# Altium PCB RTM_SFP.PcbDoc (part 4 of 7)
Units mm, origin at the board's own origin, x right, y up, seen from the top; angles counter-clockwise.
Board outline 182.5 x 148.5 mm, 4 copper layers (Top Layer, MidPlane_1, MidPlane_2, Bottom Layer), stack 0.883 mm thick; 377 components, 317 nets, 1528 pads, 1541 vias.
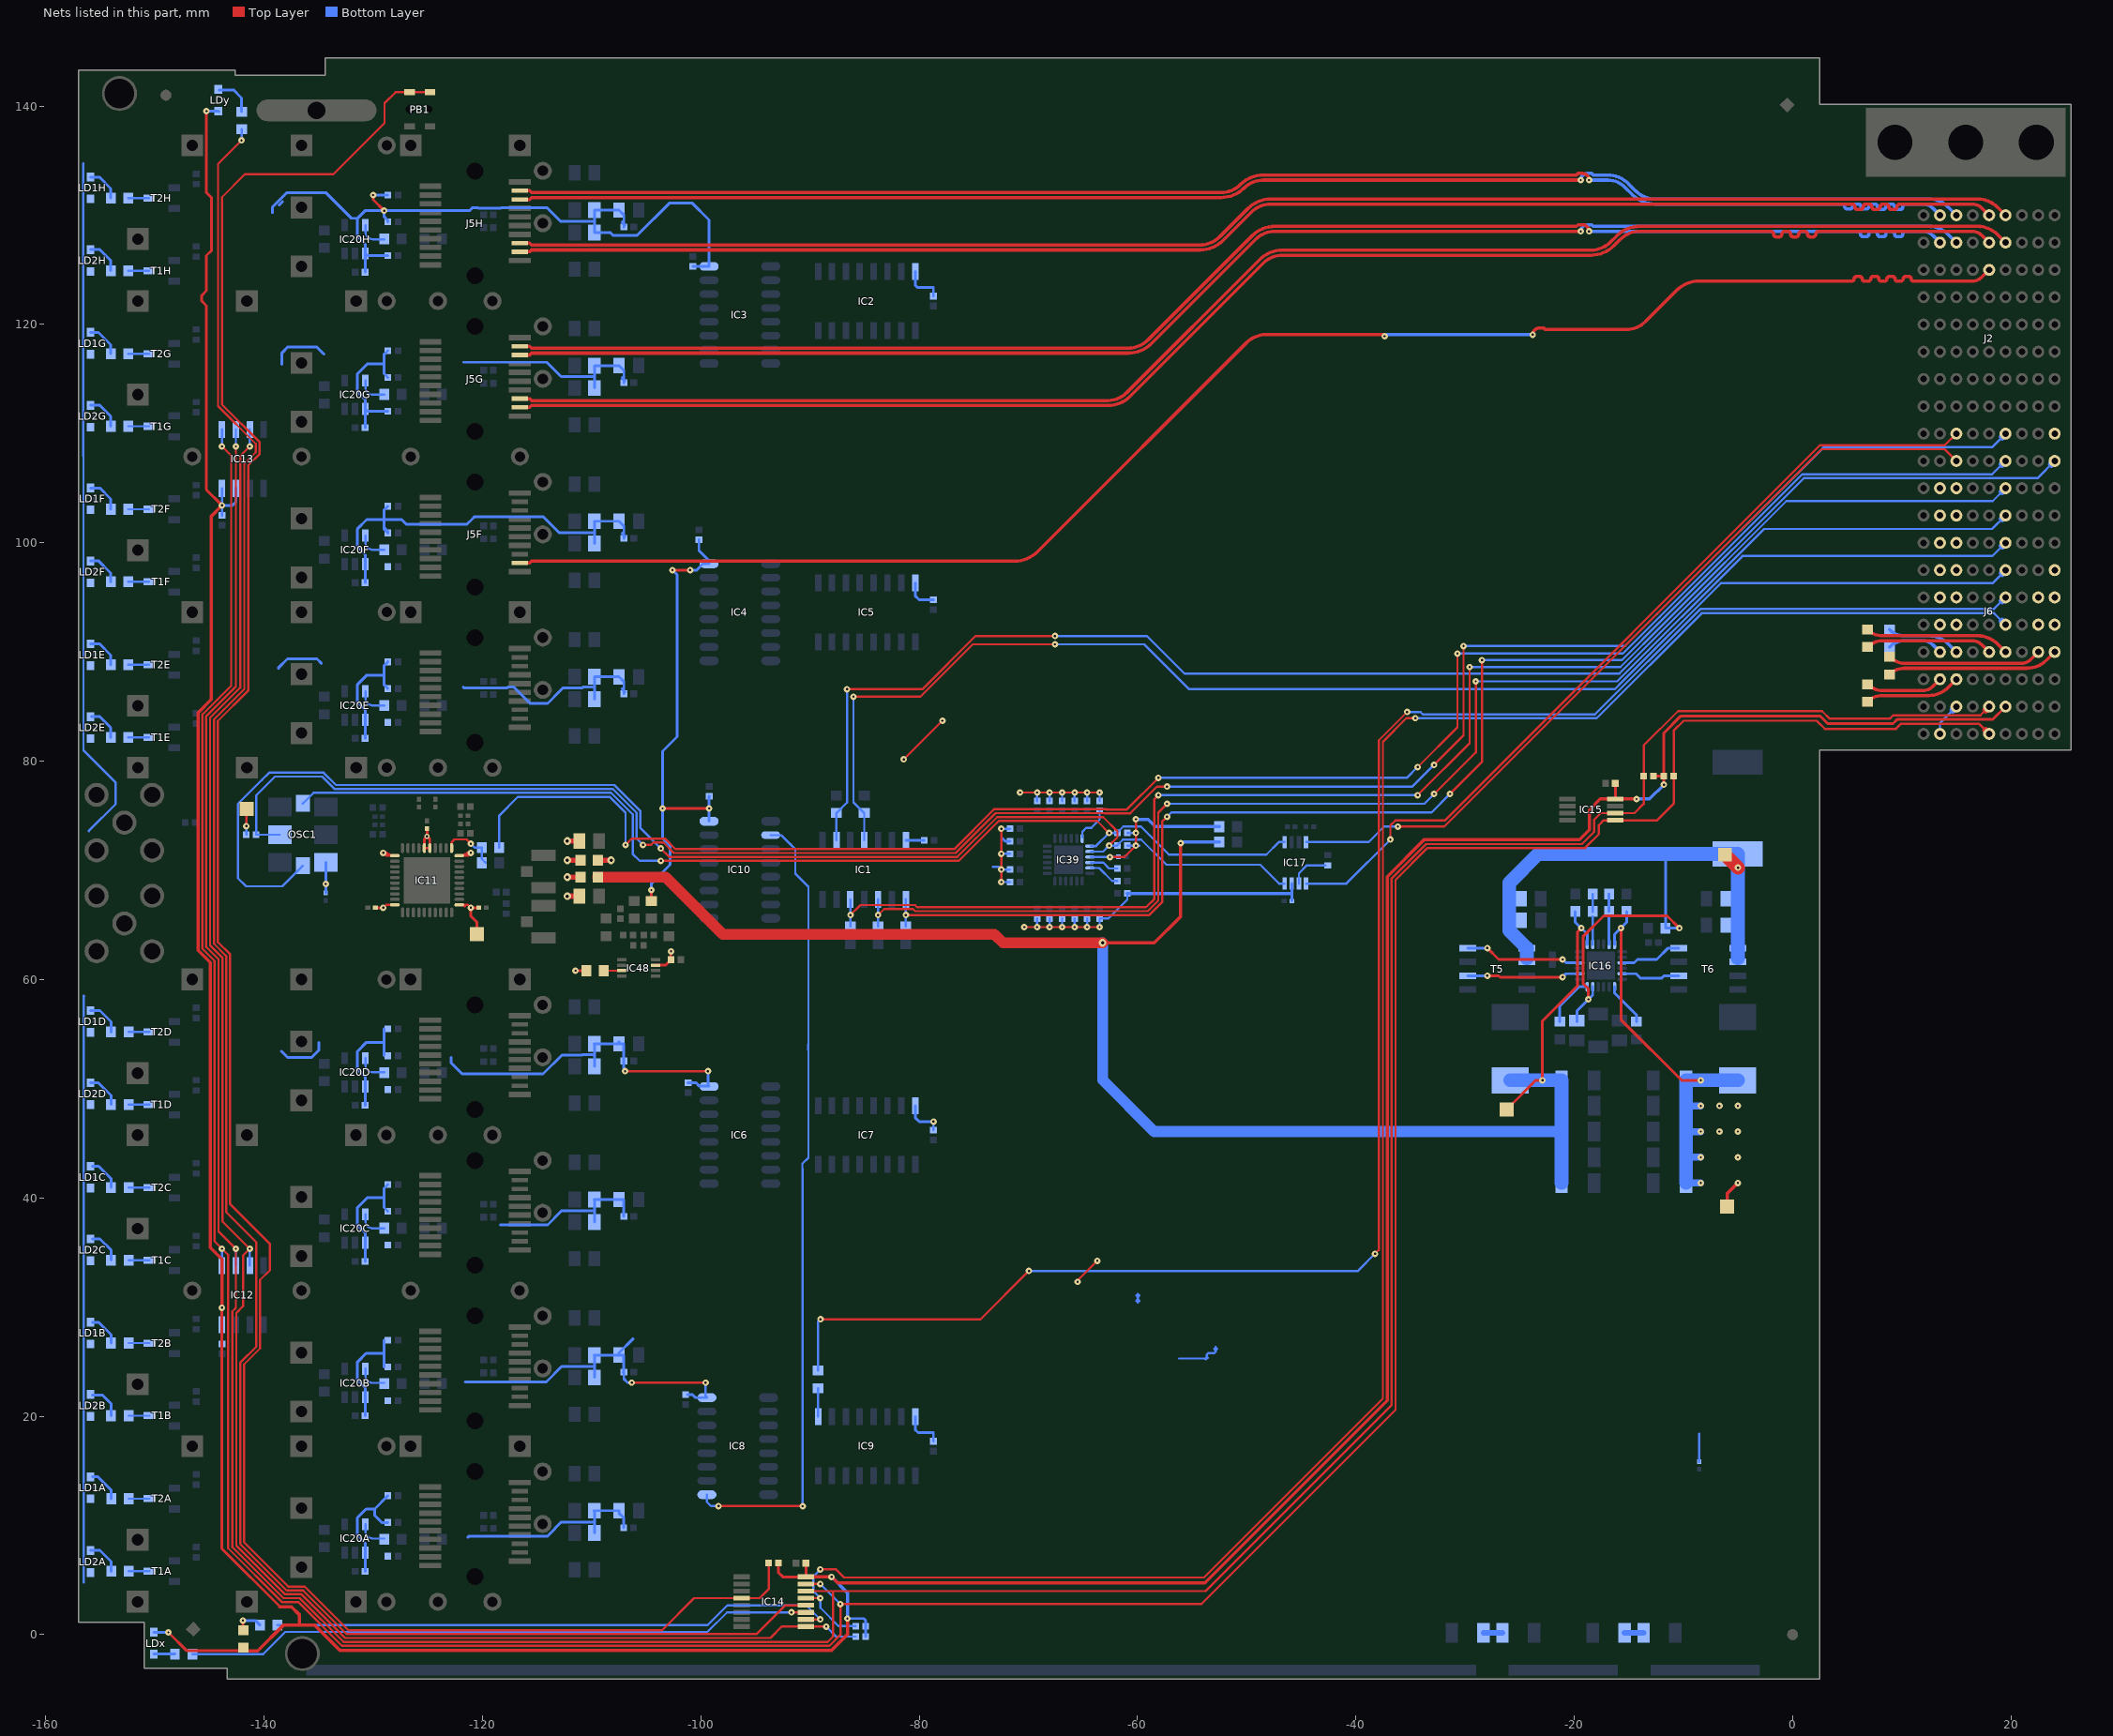
[diagram p6: the nets of this part, all layers, seen from the top]

## Via types
v1: diameter 0.6, hole 0.2, Top Layer to Bottom Layer, tented both sides, 1425 vias
v2: diameter 0.7, hole 0.3, Top Layer to Bottom Layer, tented both sides, 59 vias
v3: diameter 0.45, hole 0.2, Top Layer to Bottom Layer, tented both sides, 47 vias
v4: diameter 0.6, hole 0.2, Top Layer to Bottom Layer, 7 vias
v5: diameter 0.6, hole 0.3, Top Layer to Bottom Layer, tented both sides, 2 vias
v6: diameter 0.45, hole 0.2, Top Layer to Bottom Layer, 1 vias

## Nets (pads, with @x,y where several pads share a name; then routed paths per layer and width w, separated by ;. In a path a pad name is that pad's centre, name@x,y a point inside that pad or via, vN(x,y) a via of type N, cw(c..) or ccw(c..) an arc to the next point about the centre after c; other vN are vias at no path point) (continued)
NetIC8_9: IC8.9 IC10.2 | length 73.3
  Top Layer w0.203: v1(-98.375,11.775) -90.7,11.775 v1(-90.682,11.757)
  Bottom Layer w0.203: IC8.9@-99.45,12.811 -99.45,12.15 -99.075,11.775 v1(-98.375,11.775) ; IC10.2@-93.6,73.225 -92.628,73.225 ; -92.628,73.224 -91.774,72.371 -91.35,71.947 -91.35,69.69 -90.15,68.49 -90.15,54.033 -90.154,54.029 -90.154,53.571 -90.15,53.567 -90.15,43.683 -90.703,43.13 -90.703,42.67 -90.7,42.667 -90.7,11.775 v1(-90.682,11.757)
NetIC9_9: IC9.9 R6.2 | length 2.6
  Bottom Layer w0.203: IC9.9@-89.26,19.956 R6.2@-89.26,22.579
NetIC11_1: IC11.1 R30.2 R391.1 | length 5.2
  Top Layer w0.203: IC11.1@-122.83,72.09 -122.83,72.59 -122.59,72.83 -121.465,72.83 v1(-121.07,72.435)
  Bottom Layer w0.203: v1(-121.07,72.435) -120.725,72.09 R391.1@-120.06,72.09 -120.06,71.04 R30.2@-119.71,70.69
NetIC12_1: IC12.1 IC13.1 IC14.15 IC15.5 J6.D1 R32.2 | length 347.3
  Top Layer w0.203: v1(-143.86,108.83) -143.02,107.989 -143.02,86.909 -145.66,84.269 -145.66,62.831 -144.541,61.712 -144.541,36.024 v1(-143.86,35.343) -143.306,34.789 -143.306,7.906 -138.385,2.984 -136.885,2.984 -132.873,-1.028 -88.228,-1.028 -87.22,-0.02 v1(-87.22,2.8) -54.147,2.8 -36.371,20.576 -36.371,69.12 -33.44,72.051 -19.009,72.051 -17.75,73.31 -17.75,74.13 -17.295,74.585 IC15.5@-16.24,74.585 -12.415,74.585 -10.89,76.11 R32.2@-10.89,78.64 -10.89,82.79 -9.98,83.7 2.21,83.7 2.945,82.965 4.929,82.965 4.934,82.96 9.465,82.96 9.939,83.434 17.066,83.434 J6.D1@18,82.5 ; IC14.15@-90.38,4.635 v1(-89.055,4.635) ; 17.467,82.814 ccw(c18.099,82.983) J6.D1@17.968,82.343 ; 17.686,83.033 cw(c17.517,82.401) J6.D1@18.157,82.532
  Bottom Layer w0.203: IC12.1@-143.86,33.786 v1(-143.86,35.343) ; v1(-143.86,108.83) IC13.1@-143.86,110.386 ; v1(-89.055,4.635) v1(-87.22,2.8)
NetIC12_2: IC12.2 IC13.2 IC14.14 IC15.6 J6.D2 R31.2 | length 345.3
  Top Layer w0.203: v1(-142.59,108.83) -142.59,86.836 -145.305,84.122 -145.305,62.978 -144.185,61.859 -144.185,36.938 v1(-142.59,35.343) -142.59,29.927 -142.91,29.608 -142.91,8.012 -138.237,3.339 -136.737,3.339 -132.726,-0.672 -88.382,-0.672 -87.89,-0.18 -87.89,3.985 ; IC14.14@-90.38,3.985 -87.89,3.985 ; 17.467,84.686 cw(c18.099,84.517) J6.D2@17.968,85.157 ; 17.686,84.467 ccw(c17.517,85.099) J6.D2@18.157,84.968 ; J6.D2@18,85 17.196,84.196 9.206,84.196 8.89,83.88 3.41,83.88 2.7,84.59 -10.49,84.59 -13.64,81.44 R31.2@-13.64,78.64 -13.64,76.09 -14.495,75.235 IC15.6@-16.24,75.235 -17.585,75.235 -18.179,74.641 -18.179,73.521 -19.294,72.406 -33.587,72.406 -36.726,69.267 -36.726,21.027 -53.768,3.985 -87.89,3.985
  Bottom Layer w0.203: IC12.2@-142.59,33.786 v1(-142.59,35.343) ; v1(-142.59,108.83) IC13.2@-142.59,110.386
NetIC12_3: IC12.3 IC13.3 IC14.9 R14.2 | length 168.4
  Top Layer w0.203: v1(-141.32,108.83) -142.18,107.97 -142.18,86.744 -144.949,83.974 -144.949,63.126 -143.83,62.006 -143.83,37.853 v1(-141.32,35.343) -141.93,34.734 -141.93,30.085 -142.555,29.46 -142.555,8.159 -138.09,3.695 -136.59,3.695 -132.579,-0.317 -93.637,-0.317 -92.585,0.735 IC14.9@-90.38,0.735 v1(-88.515,0.735)
  Bottom Layer w0.203: IC12.3@-141.32,33.786 v1(-141.32,35.343) ; v1(-141.32,108.83) IC13.3@-141.32,110.386 ; v1(-88.515,0.735) -87.6,-0.18 R14.2@-85.81,-0.18
NetIC14_4: IC14.4 PB1.1 PB1.2 R16.2 | length 208.6
  Top Layer w0.203: PB1.2@-124.826,141.286 PB1.1@-126.676,141.286 -127.954,141.286 -128.98,140.26 -128.98,138.44 -133.66,133.76 -141.767,133.76 -143.867,131.66 -143.867,112.662 -140.411,109.206 -140.411,108.151 -141.469,107.093 -141.469,86.449 -144.238,83.68 -144.238,63.42 -143.119,62.301 -143.119,39.429 -139.47,35.78 -139.47,33.385 -140.375,32.48 -140.375,26.213 -141.844,24.743 -141.844,8.453 -137.796,4.405 -136.296,4.405 -132.284,0.394 -103.556,0.394 -100.615,3.335 -94.615,3.335 -93.79,4.16 R16.2@-93.79,6.54
NetIC16_2: IC16.2 R195.2 R248.2 | length 4.1
  Bottom Layer w0.254: IC16.2@-18.31,63.23 R195.2@-18.31,65.74 ; R195.2@-18.31,66.23 R248.2@-18.31,67.83
NetIC16_5: IC16.5 R18.2 R53.1 | length 4.1
  Bottom Layer w0.254: IC16.5@-16.81,63.23 R53.1@-16.81,65.74 ; R53.1@-16.81,66.23 R18.2@-16.81,67.83
NetIC16_9: IC16.9 T6.4 | length 5.8
  Bottom Layer w0.254: IC16.9@-15.61,61.53 -14.5,61.53 -14.2,61.83 -12.44,61.83 -11.385,62.885 T6.4@-10.42,62.885
NetIC16_11: IC16.11 T6.2 | length 5.4
  Bottom Layer w0.254: IC16.11@-15.61,60.53 -14.33,60.53 -13.94,60.14 -11.99,60.14 -11.785,60.345 T6.2@-10.42,60.345
NetIC16_13: IC16.13 R246.2 | length 4
  Bottom Layer w0.254: IC16.13@-16.31,59.33 -16.31,58.76 -14.31,56.76 R246.2@-14.31,56.13
NetIC16_18: IC16.18 R54.1 | length 4.7
  Bottom Layer w0.254: R54.1@-21.32,56.13 -21.32,57.59 -19.58,59.33 IC16.18@-18.81,59.33
NetIC16_20: IC16.20 T5.2 | length 10.4
  Top Layer w0.254: v1(-27.965,60.345) -26.915,60.345 -26.79,60.22 v1(-21.06,60.22)
  Bottom Layer w0.254: T5.2@-29.75,60.345 v1(-27.965,60.345) ; v1(-21.06,60.22) -20.75,60.53 IC16.20@-19.51,60.53
NetIC16_22: IC16.22 T5.4 | length 10.8
  Top Layer w0.254: v1(-27.965,62.885) -26.92,61.84 v1(-21.06,61.84)
  Bottom Layer w0.254: T5.4@-29.75,62.885 v1(-27.965,62.885) ; v1(-21.06,61.84) -20.75,61.53 IC16.22@-19.51,61.53
NetIC17_1: IC17.1 IC39.19 OSC1.8 R325.1 | length 101
  Top Layer w0.203: v1(-103.67,70.88) -76.357,70.88 -72.712,74.525 -63.71,74.525 v1(-62.605,73.42)
  Bottom Layer w0.203: OSC1.8@-136.46,76.122 -135.472,77.11 -108.227,77.11 -106.245,75.127 -106.245,71.515 -105.61,70.88 v1(-103.67,70.88) ; IC39.19@-64.269,72.22 -63.805,72.22 v1(-62.605,73.42) R325.1@-61.84,73.42 -61.84,73.479 -61.309,74.01 -59.69,74.01 -57.126,71.446 -48.204,71.446 -47.06,72.59 IC17.1@-46.525,72.59
NetIC17_6: IC17.6 R37.2 | length 3.7
  Bottom Layer w0.203: IC17.6@-45.225,68.79 -45.225,69.725 -44.49,70.46 R37.2@-42.8,70.46
NetIC17_8: IC17.8 IC39.20 OSC1.7 R324.1 | length 123.3
  Top Layer w0.203: v1(-103.67,72) -102.905,71.235 -76.505,71.235 -72.86,74.88 -63.15,74.88 -61.84,73.57 -61.84,73.03 v1(-62.605,72.265)
  Bottom Layer w0.203: OSC1.7@-136.46,70.417 -138.337,68.54 -141.66,68.54 -142.4,69.28 -142.4,76.09 -140.21,78.28 -139.544,78.945 -134.55,78.945 -133.426,77.821 -107.933,77.821 -105.534,75.422 -105.534,73.864 v1(-103.67,72) ; IC39.20@-64.269,71.72 -63.15,71.72 v1(-62.605,72.265) R324.1@-61.84,72.265 -61.84,72.324 -61.345,72.819 -59.669,72.819 -57.36,70.51 -48.77,70.51 -47.05,68.79 IC17.8@-46.525,68.79
NetIC20A_5: IC20A.5 R109A.1 | length 2.7
  Bottom Layer w0.203: IC20A.5@-130.73,10.099 -130.73,9.492 ccw(c-130.047,9.492) -130.53,9.009 ccw(c-130.023,9.516) -130.023,8.799 R109A.1@-129,8.799
NetIC20B_5: IC20B.5 R109B.1 | length 2.7
  Bottom Layer w0.203: IC20B.5@-130.73,24.35 -130.73,23.743 ccw(c-130.047,23.743) -130.53,23.26 ; -130.53,23.26 ccw(c-130.023,23.767) -130.023,23.05 R109B.1@-129,23.05
NetIC20C_5: IC20C.5 R109C.1 | length 2.7
  Bottom Layer w0.203: IC20C.5@-130.73,38.5 -130.73,37.893 ccw(c-130.047,37.893) -130.53,37.41 ccw(c-130.023,37.917) -130.023,37.2 R109C.1@-129,37.2
NetIC20D_5: IC20D.5 R109D.1 | length 2.7
  Bottom Layer w0.203: IC20D.5@-130.73,52.8 -130.73,52.193 ccw(c-130.047,52.193) -130.53,51.71 ccw(c-130.023,52.217) -130.023,51.5 R109D.1@-129,51.5
NetIC20E_5: IC20E.5 R109E.1 | length 2.7
  Bottom Layer w0.203: IC20E.5@-130.73,86.4 -130.73,85.793 ccw(c-130.047,85.793) -130.53,85.31 ccw(c-130.023,85.817) -130.023,85.1 R109E.1@-129,85.1
NetIC20F_5: IC20F.5 R109F.1 | length 2.7
  Bottom Layer w0.203: IC20F.5@-130.73,100.66 -130.73,100.053 ccw(c-130.047,100.053) -130.53,99.57 ccw(c-130.023,100.077) -130.023,99.36 R109F.1@-129,99.36
NetIC20G_5: IC20G.5 R109G.1 | length 2.7
  Bottom Layer w0.203: IC20G.5@-130.73,114.86 -130.73,114.253 ccw(c-130.047,114.253) -130.53,113.77 ccw(c-130.023,114.277) -130.023,113.56 R109G.1@-129,113.56
NetIC20H_5: IC20H.5 R109H.1 | length 2.7
  Bottom Layer w0.203: IC20H.5@-130.73,129.1 -130.73,128.493 ccw(c-130.047,128.493) -130.53,128.01 ccw(c-130.023,128.517) -130.023,127.8 R109H.1@-129,127.8
NetIC39_18: IC39.18 R328.2 | length 3.4
  Bottom Layer w0.203: IC39.18@-65.069,73.02 -65.069,73.531 -64.71,73.89 -64.235,73.89 -63.47,74.655 R328.2@-63.47,75.445
NetIC39_22: IC39.22 R326.2 | length 2.7
  Bottom Layer w0.203: IC39.22@-64.269,70.72 -63.15,70.72 -62.605,70.175 R326.2@-61.84,70.175
NetIC39_23: IC39.23 R327.2 | length 2.9
  Bottom Layer w0.203: IC39.23@-64.269,70.22 -63.53,70.22 -62.34,69.03 R327.2@-61.84,69.03
NetIC48_3: IC48.3 R27.1 | length 1.6
  Top Layer w0.203: R27.1@-108.9,60.81 IC48.3@-107.25,60.81
NetJ6_a4: J6.A4 R33.2 | length 15.8
  Top Layer w0.305: R33.2@8.87,87.95 cw(c10.229,86.591) 10.229,88.513 21.461,88.513 ccw(c21.461,91.053) 23.257,89.257 J6.A4@24,90
NetJ6_b4: J6.B4 R33.1 | length 14.2
  Top Layer w0.305: R33.1@8.87,89.55 ccw(c10.27,90.95) 10.27,88.97 20.939,88.97 ccw(c20.939,90.252) 21.845,89.345 J6.B4@22.5,90
NetJ6_c4: J6.C4 R34.2 | length 13.3
  Top Layer w0.305: R34.2@6.86,92.05 ccw(c8.219,93.409) 8.219,91.487 16.961,91.487 cw(c16.961,88.947) 18.757,90.743 J6.C4@19.5,90
NetJ6_d4: J6.D4 R34.1 | length 11.7
  Top Layer w0.305: R34.1@6.86,90.45 cw(c8.26,89.05) 8.26,91.03 16.439,91.03 cw(c16.439,89.748) 17.345,90.655 J6.D4@18,90
NetJ6_e2: J6.E2 J6.F1 | length 4.6
  Bottom Layer w0.203: J6.F1@13.5,82.5 13.5,83.5 J6.E2@15,85 ; 14.467,84.686 cw(c15.099,84.517) J6.E2@14.968,85.157 ; 14.686,84.467 ccw(c14.517,85.099) J6.E2@15.157,84.968
NetJ6_e3: J6.E3 R36.2 | length 8.8
  Top Layer w0.305: R36.2@6.86,85.45 cw(c8.219,84.091) 8.219,86.013 12.461,86.013 ccw(c12.461,88.553) 14.257,86.757 J6.E3@15,87.5
NetJ6_e4: J6.E4 R35.2 | length 6.8
  Bottom Layer w0.305: R35.2@8.87,92.05 ccw(c10.229,93.409) 10.229,91.487 12.461,91.487 cw(c12.461,88.947) 14.257,90.743 J6.E4@15,90
NetJ6_f3: J6.F3 R36.1 | length 7.2
  Top Layer w0.305: R36.1@6.86,87.05 ccw(c8.26,88.45) 8.26,86.47 11.939,86.47 ccw(c11.939,87.752) 12.845,86.845 J6.F3@13.5,87.5
NetJ6_f4: J6.F4 R35.1 | length 5.2
  Bottom Layer w0.305: R35.1@8.87,90.45 cw(c10.27,89.05) 10.27,91.03 11.939,91.03 cw(c11.939,89.748) 12.845,90.655 J6.F4@13.5,90
NetLD1A_1: LD1A.1 R1A.2 | length 3
  Bottom Layer w0.254: LD1A.1@-155.75,14.449 -155.219,14.449 -154.01,13.24 R1A.2@-154.01,12.449
NetLD1B_1: LD1B.1 R1B.2 | length 3
  Bottom Layer w0.254: LD1B.1@-155.75,28.6 -155.15,28.6 -154.025,27.475 R1B.2@-154.025,26.7
NetLD1C_1: LD1C.1 R1C.2 | length 3
  Bottom Layer w0.254: LD1C.1@-155.75,42.9 -155.16,42.9 -154.025,41.765 R1C.2@-154.025,40.95
NetLD1D_1: LD1D.1 R1D.2 | length 3.2
  Bottom Layer w0.254: LD1D.1@-155.9,57.15 -155.05,57.15 -154.025,56.125 R1D.2@-154.025,55.2
NetLD1E_1: LD1E.1 R1E.2 | length 3.2
  Bottom Layer w0.254: LD1E.1@-155.9,90.74 -155.076,90.74 -154.05,89.714 R1E.2@-154.05,88.825
NetLD1F_1: LD1F.1 R1F.2 | length 3.2
  Bottom Layer w0.254: LD1F.1@-155.9,105.025 -155.05,105.025 -154.05,104.025 R1F.2@-154.05,103.075
NetLD1G_1: LD1G.1 R1G.2 | length 3.1
  Bottom Layer w0.254: LD1G.1@-155.9,119.275 -155.185,119.275 -154.05,118.14 R1G.2@-154.05,117.325
NetLD1H_1: LD1H.1 R1H.2 | length 3.2
  Bottom Layer w0.254: LD1H.1@-155.9,133.5 -155.099,133.5 -154.05,132.451 R1H.2@-154.05,131.575
NetLD2A_1: LD2A.1 R11A.2 | length 3.2
  Bottom Layer w0.254: LD2A.1@-155.9,7.726 -155.05,7.726 -154.01,6.687 R11A.2@-154.01,5.799
NetLD2B_1: LD2B.1 R11B.2 | length 3.2
  Bottom Layer w0.254: LD2B.1@-155.75,21.95 -154.825,21.95 -154.025,21.15 R11B.2@-154.025,20.05
NetLD2C_1: LD2C.1 R11C.2 | length 3.1
  Bottom Layer w0.254: LD2C.1@-155.75,36.24 -155.04,36.24 -154.025,35.225 R11C.2@-154.025,34.3
NetLD2D_1: LD2D.1 R11D.2 | length 3.2
  Bottom Layer w0.254: LD2D.1@-155.9,50.55 -155.192,50.55 -154.025,49.383 R11D.2@-154.025,48.55
NetLD2E_1: LD2E.1 R11E.2 | length 3.1
  Bottom Layer w0.254: LD2E.1@-155.825,84.075 -155.05,84.075 -154.05,83.075 R11E.2@-154.05,82.175
NetLD2F_1: LD2F.1 R11F.2 | length 3.1
  Bottom Layer w0.254: LD2F.1@-155.9,98.336 -155.156,98.336 -154.05,97.23 R11F.2@-154.05,96.425
NetLD2G_1: LD2G.1 R11G.2 | length 3.2
  Bottom Layer w0.254: LD2G.1@-155.9,112.595 -155.05,112.595 -154.05,111.595 R11G.2@-154.05,110.675
NetLD2H_1: LD2H.1 R11H.2 | length 3.2
  Bottom Layer w0.254: LD2H.1@-155.9,126.856 -155.04,126.856 -154.05,125.867 R11H.2@-154.05,124.925
NetR1A_1: R1A.1 T2A.3 | length 1.9
  Bottom Layer w0.203: R1A.1@-152.41,12.449 T2A.3@-150.51,12.449
NetR1B_1: R1B.1 T2B.3 | length 1.9
  Bottom Layer w0.203: R1B.1@-152.425,26.7 T2B.3@-150.525,26.7
NetR1C_1: R1C.1 T2C.3 | length 1.9
  Bottom Layer w0.203: R1C.1@-152.425,40.95 T2C.3@-150.525,40.95
NetR1D_1: R1D.1 T2D.3 | length 1.9
  Bottom Layer w0.203: R1D.1@-152.425,55.2 T2D.3@-150.525,55.2
NetR1E_1: R1E.1 T2E.3 | length 1.9
  Bottom Layer w0.203: R1E.1@-152.45,88.825 T2E.3@-150.55,88.825
NetR1F_1: R1F.1 T2F.3 | length 1.9
  Bottom Layer w0.203: R1F.1@-152.45,103.075 T2F.3@-150.55,103.075
NetR1G_1: R1G.1 T2G.3 | length 1.9
  Bottom Layer w0.203: R1G.1@-152.45,117.325 T2G.3@-150.55,117.325
NetR1H_1: R1H.1 T2H.3 | length 1.9
  Bottom Layer w0.203: R1H.1@-152.45,131.575 T2H.3@-150.55,131.575
NetR11A_1: R11A.1 T1A.3 | length 1.9
  Bottom Layer w0.203: R11A.1@-152.41,5.799 T1A.3@-150.51,5.799
NetR11B_1: R11B.1 T1B.3 | length 1.9
  Bottom Layer w0.203: R11B.1@-152.425,20.05 T1B.3@-150.525,20.05
NetR11C_1: R11C.1 T1C.3 | length 1.9
  Bottom Layer w0.203: R11C.1@-152.425,34.3 T1C.3@-150.525,34.3
NetR11D_1: R11D.1 T1D.3 | length 1.9
  Bottom Layer w0.203: R11D.1@-152.425,48.55 T1D.3@-150.525,48.55
NetR11E_1: R11E.1 T1E.3 | length 1.9
  Bottom Layer w0.203: R11E.1@-152.45,82.175 T1E.3@-150.55,82.175
NetR11F_1: R11F.1 T1F.3 | length 1.9
  Bottom Layer w0.203: R11F.1@-152.45,96.425 T1F.3@-150.55,96.425
NetR11G_1: R11G.1 T1G.3 | length 1.9
  Bottom Layer w0.203: R11G.1@-152.45,110.675 T1G.3@-150.55,110.675
NetR11H_1: R11H.1 T1H.3 | length 1.9
  Bottom Layer w0.203: R11H.1@-152.45,124.925 T1H.3@-150.55,124.925
NetR19_2: R19.2 R20.1 | length 1.8
  Bottom Layer w0.5: R20.1@-15.4,0.161 R19.2@-13.65,0.161
NetR21_2: R21.2 R22.1 | length 1.7
  Bottom Layer w0.5: R22.1@-28.32,0.161 R21.2@-26.575,0.161
P2: IC14.12 R7.1 | length 192
  Top Layer w0.203: v1(-142.07,136.86) -144.223,134.707 -144.223,112.515 -140.766,109.059 -140.766,108.298 -141.825,107.24 -141.825,86.596 -144.594,83.827 -144.594,63.273 -143.475,62.154 -143.475,38.685 -140.73,35.94 -140.73,26.36 -142.199,24.891 -142.199,8.306 -137.943,4.05 -136.443,4.05 -132.431,0.038 -94.912,0.038 -92.265,2.685 IC14.12@-90.38,2.685
  Bottom Layer w0.203: v1(-142.07,136.86) R7.1@-142.07,137.886
P2_BLUE: LDy.1 R7.2 | length 3.6
  Bottom Layer w0.254: LDy.1@-144.151,141.486 -142.816,141.486 -142.07,140.74 R7.2@-142.07,139.486
P2V5: C176.2 C179.2 C180.2 C181.2 C182.2 IC16.1 L2.2 L4.2 L20.1 R195.1 TP_2V5.1 | length 161.1
  Top Layer w0.254: TP_2V5.1@-26.2,48.1 -23.53,50.77 v1(-22.91,50.77) -22.91,56.22 -19.687,59.443 -19.687,64.373 v1(-19.35,64.71)
  Top Layer w0.3: v2(-63.21,63.36) -58.455,63.36 -56.062,65.753 v4(-56.062,72.493)
  Top Layer w1: L20.1@-109.43,69.38 -103.23,69.38 -98,64.15 -73.11,64.15 -72.32,63.36 v2(-63.21,63.36)
  Bottom Layer w0.254: v4(-56.062,72.493) v4@-55.944,72.611 ; R195.1@-19.91,66.23 -19.91,65.26 -18.81,64.16 IC16.1@-18.81,63.23
  Bottom Layer w0.3: v4@-55.944,72.611 L4.2@-52.506,72.611
  Bottom Layer w1: v2(-63.21,63.36) -63.21,50.8 -58.48,46.07 C180.2@-21.17,46.07
  Bottom Layer w1.27: L2.2@-25.87,50.77 v1(-22.91,50.77) C176.2@-21.17,50.77 C179.2@-21.17,48.42 C180.2@-21.17,46.07 C182.2@-21.17,43.72 C181.2@-21.17,41.37
P2V5_CLEAN: C24.2 C399.2 C400.2 C401.2 IC11.5 IC11.6 IC11.11 IC11.20 IC11.31 IC11.40 L20.2 TP_2V5_clean.1 | length 16.8
  Top Layer w0.203: v1@-129.093,71.604 cw(c-128.922,71.364) -128.758,71.609 ; v1(-129.09,66.58) -128.83,66.84 IC11.20@-128.08,66.84 ; v1(-129.09,71.6) -128.83,71.34 IC11.11@-128.08,71.34 ; v1@-128.975,71.438 cw(c-128.74,71.109) -128.515,71.445 ; -128.557,71.468 cw(c-128.635,71.178) IC11.11@-128.375,71.328 ; IC11.31@-122.08,66.84 -121.33,66.84 v1(-121.07,66.58) ; IC11.40@-122.08,71.34 -121.33,71.34 v1(-121.07,71.6) ; IC11.31@-121.785,66.852 ccw(c-121.525,67.002) -121.603,66.712 ; IC11.40@-121.785,71.328 cw(c-121.525,71.178) -121.603,71.468 ; -121.645,71.445 cw(c-121.42,71.109) v1@-121.185,71.438 ; -121.402,71.609 cw(c-121.238,71.364) v1@-121.067,71.604
  Top Layer w0.254: C399.2@-129.81,66.58 v1(-129.09,66.58) ; C400.2@-125.08,73.83 v3(-125.08,73.11) ; TP_2V5_clean.1@-120.527,64.15 -120.527,65.267 -121.07,65.81 v1(-121.07,66.58) C401.2@-120.35,66.58 ; v3(-125.08,73.11) -125.33,72.86 IC11.6@-125.33,72.04 IC11.5@-124.83,72.04 -124.83,72.86 v3(-125.08,73.11)
  Top Layer w0.5: v2(-112.23,67.63) C24.2@-111.13,67.63 ; v2(-112.23,69.38) L20.2@-111.03,69.38
P3: IC14.11 R8.1 | length 57.8
  Top Layer w0.203: v1(-91.705,2.035) IC14.11@-90.38,2.035
  Bottom Layer w0.203: R8.1@-146.575,-1.789 -140.089,-1.789 -138.06,0.24 -99.4,0.24 -97.605,2.035 v1(-91.705,2.035)
P3_GREEN: LDx.1 R8.2 | length 1.9
  Bottom Layer w0.254: LDx.1@-150.101,-1.789 R8.2@-148.175,-1.789
P3V3: C1.1 C2.1 C3.1 C4.1 C6.1 C7.1 C8.1 C13A.1 C13B.1 C13C.1 C13D.1 C13E.1 C13F.1 C13G.1 C13H.1 C15.2 C17.1 C20.1 C22.1 C23.1 C30.1 C186A.1 C186B.1 C186C.1 C186D.1 C186E.1 C186F.1 C186G.1 C186H.1 C202A.2 C202B.2 C202C.2 C202D.2 C202E.2 C202F.2 C202G.2 C202H.2 C208.2 C209.2 C210.2 C213.2 C402.2 C403.2 IC1.14 IC2.16 IC3.16 IC4.16 IC5.16 IC6.16 IC7.16 IC8.16 IC9.16 IC10.16 IC16.6 IC17.7 IC20A.1 IC20B.1 IC20C.1 IC20D.1 IC20E.1 IC20F.1 IC20G.1 IC20H.1 IC39.21 IC48.7 L1.2 L3.2 L5A.1 L5B.1 L5C.1 L5D.1 L5E.1 L5F.1 L5G.1 L5H.1 L11A.1 L11B.1 L11C.1 L11D.1 L11E.1 L11F.1 L11G.1 L11H.1 L19.1 LD1A.2 LD1B.2 LD1C.2 LD1D.2 LD1E.2 LD1F.2 LD1G.2 LD1H.2 LD2A.2 LD2B.2 LD2C.2 LD2D.2 LD2E.2 LD2F.2 LD2G.2 LD2H.2 R25.1 R27.2 R28.2 R53.2 R316.2 R317.2 R318.2 R319.2 R320.2 R321.2 R322.2 R323.2 R324.2 R325.2 R328.1 R329.2 R330.2 R331.2 R332.2 R333.2 R334.2 R335.2 R336.2 R400A.2 R400B.2 R400C.2 R400D.2 R400E.2 R400F.2 R400G.2 R400H.2 R403A.2 R403B.2 R403C.2 R403D.2 R403E.2 R403F.2 R403G.2 R403H.2 R404A.2 R404B.2 R404C.2 R404D.2 R404E.2 R404F.2 R404G.2 R404H.2 TP_3V3.1 | length 642.7